# Allegro board reServer J2032_V1.brd (continued)
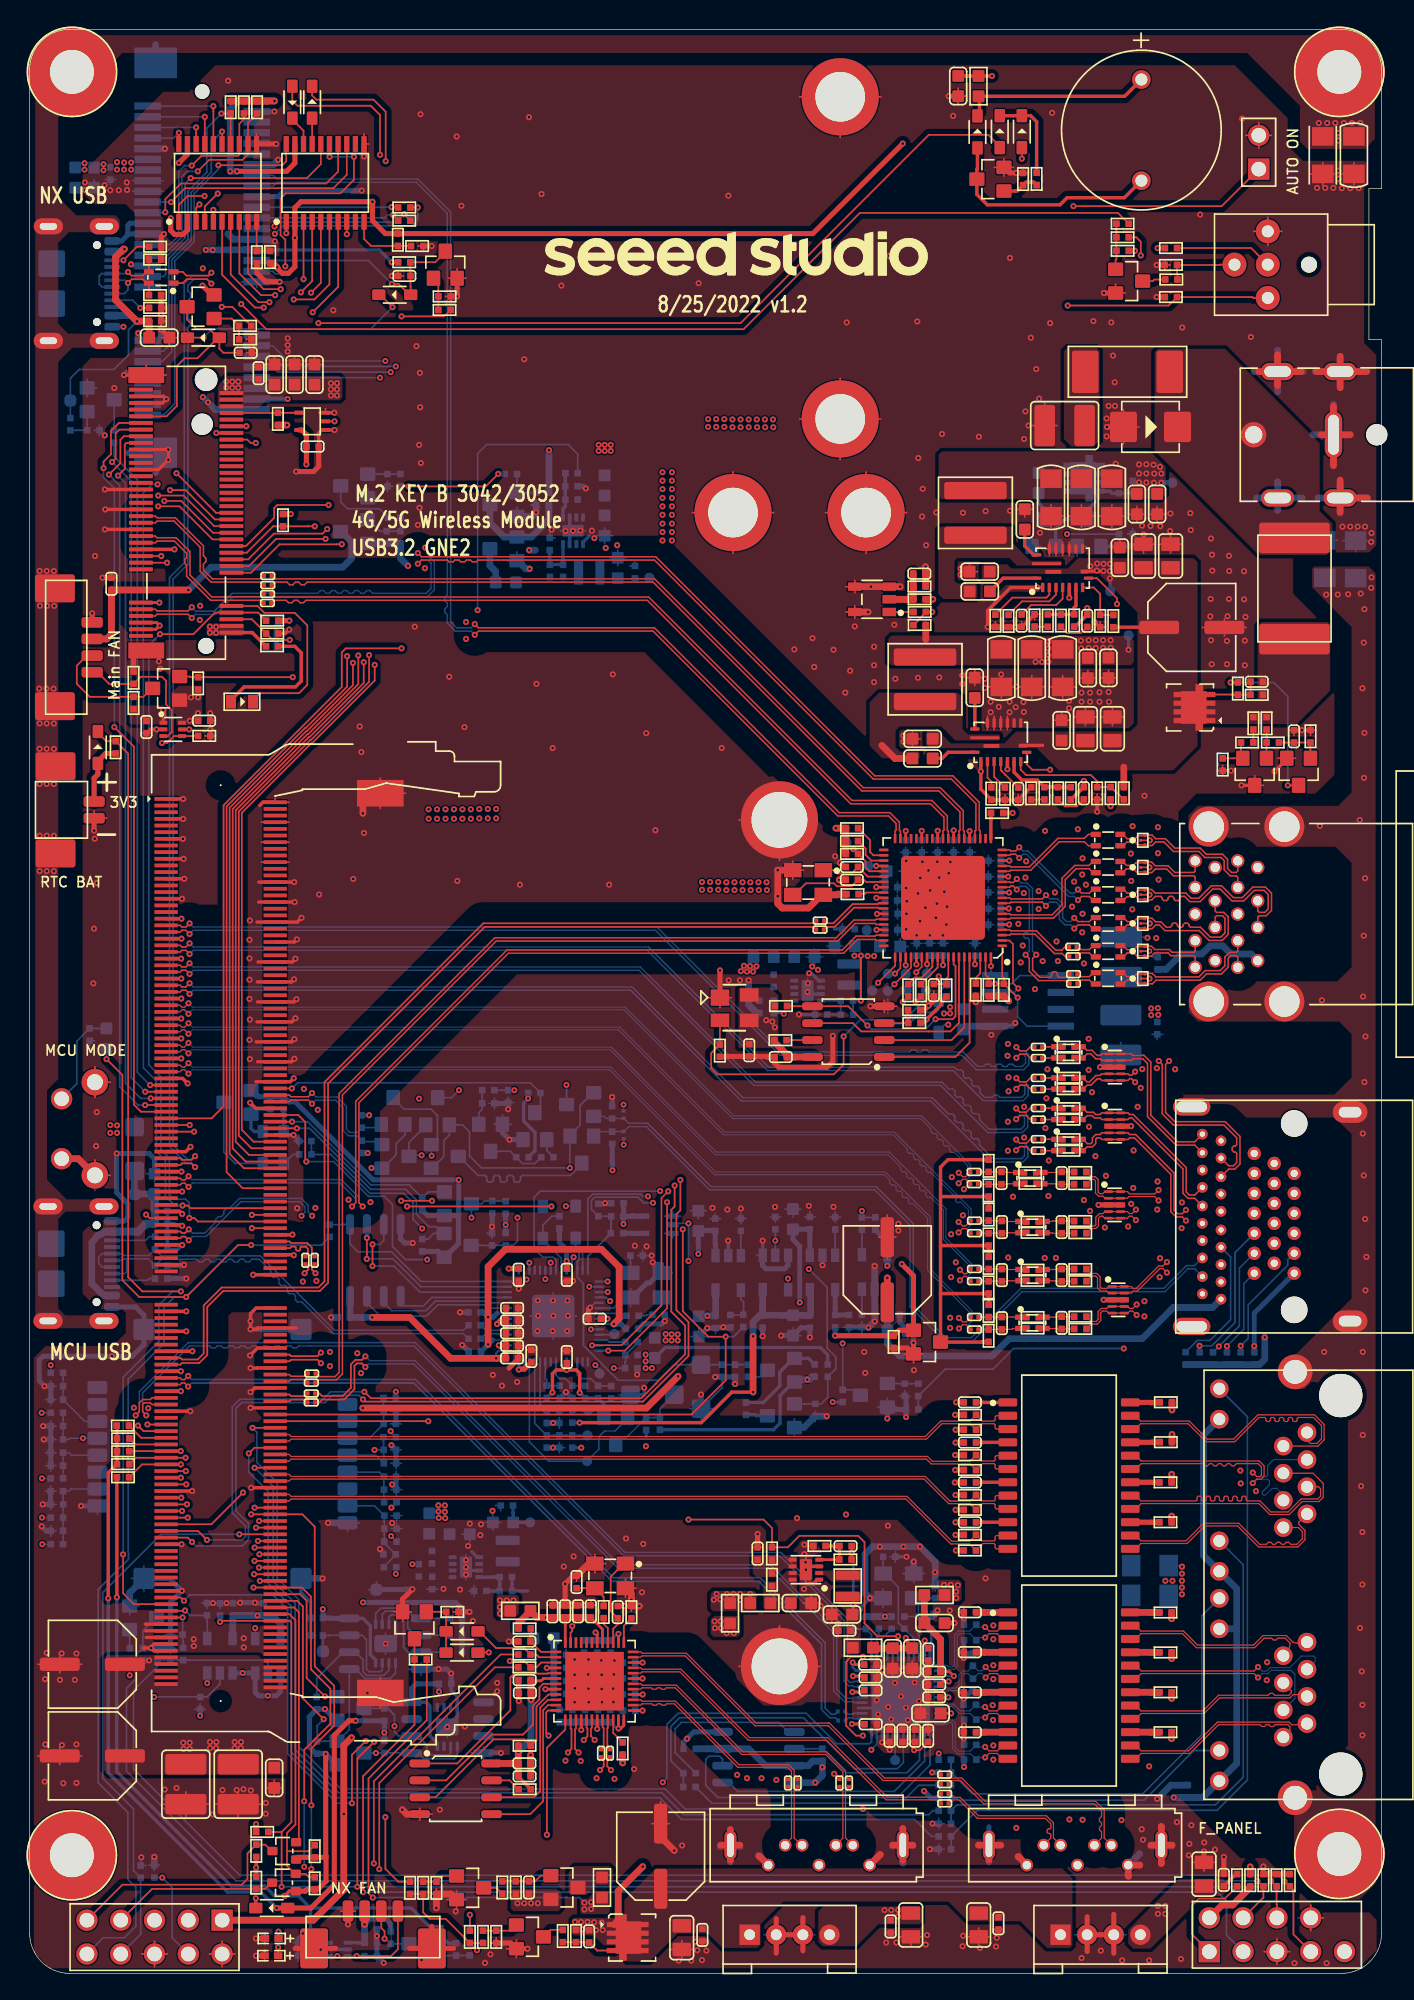
[diagram p0: board, top side]
## Footprints (pads in the part's own frame, mm; a bottom-side part is the same pattern mirrored in y, then rotated) (continued)
D0402
  rrect 0.5x0.5 smd: 1(-0.463,0) 2(0.463,0)
DC_JACK_JPD441_13X10X10MM
  round 1.6 hole 1.6 unplated: (0,-2.75)
  round 1.9 hole 1.3: 1(0,-12)
  oval 3.5x1.3 hole 3x0.8: 2(0,-6)
  oval 1.3x2.5 hole 0.8x2: S1(4.75,-5.5) S2(-4.75,-5.5) S3(4.75,-10.2) S4(-4.75,-10.2)
DCK5_2P15X1P4
  rect 0.4x0.9 smd: 1(-0.65,-1.1) 2(0,-1.1) 3(0.65,-1.1) 4(0.65,1.1) 5(-0.65,1.1)
DFN08_SON08_0D66_3X3MM
  rect 1.1x0.39 smd: 1(-1.354,0.975) 2(-1.354,0.325) 3(-1.354,-0.325) 4(-1.354,-0.975)
  custom 2.479x3.5 smd: 5(0,0)
DFN8G_0D5_2X2MM_3410
  rrect 0.6x0.3 smd: 1(-1,0.75) 2(-1,0.25) 3(-1,-0.25) 4(-1,-0.75) 5(1,-0.75) 6(1,-0.25) 7(1,0.25) 8(1,0.75)
  rrect 0.9x1.6 smd: 9(0,0)
DO_214AA_SMB
  rrect 2.032x2.286 smd: 1(-2.032,0) 2(2.032,0)
ELECTRO_SMD_6_6X6_6MM
  rrect 1x3 smd: 1(0,-2.45) 2(0,2.45)
HDMI_DP_39P_18D05X18D1X19D3MM
  round 2 hole 2 unplated: (-7,5.3) (7,5.3)
  round 1 hole 0.55: A1(4.75,8.3) A2(4,6.8) A3(3.25,8.3) A4(3.25,5.3) A5(2.5,6.8) A6(1.75,5.3) A7(1.75,8.3) A8(1,6.8) A9(0.25,8.3) A10(0.25,5.3) A11(-0.5,6.8) A12(-1.25,5.3) A13(-1.25,8.3) A14(-2,6.8) A15(-2.75,8.3) A16(-2.75,5.3) A17(-3.5,6.8) A18(-4.25,5.3) A19(-4.25,8.3)
  round 0.8 hole 0.4: B1(6.2,12.2) B2(5.7,10.8) B3(4.8,12.2) B4(4.4,10.8) B5(3.5,12.2) B6(3,10.8) B7(2.2,12.2) B8(1.7,10.8) B9(0.8,12.2) B10(0.4,10.8) B11(-0.5,12.2) B12(-1,10.8) B13(-1.8,12.2) B14(-2.3,10.8) B15(-3.1,12.2) B16(-3.6,10.8) B17(-4.5,12.2) B18(-4.9,10.8) B19(-5.8,12.2) B20(-6.2,10.8)
  oval 1.3x2.8 hole 0.8x2.3: S1(8.25,13) S2(-8.25,13)
  oval 1.6x2.6 hole 0.8x1.7: S3(7.85,1.1) S4(-7.85,1.1)
HEADER2P_2D54_DIP
  rect 1.6x1.6 hole 1.1: 1(0,1.27)
  round 1.6 hole 1.1: 2(0,-1.27)
HEADER2X5P_2D54_1_DIP
  rect 1.6x1.6 hole 1.1: 1(-1.27,5.08)
  round 1.6 hole 1.1: 2(1.27,5.08) 3(-1.27,2.54) 4(1.27,2.54) 5(-1.27,0) 6(1.27,0) 7(-1.27,-2.54) 8(1.27,-2.54) 9(-1.27,-5.08) 10(1.27,-5.08)
HEADER2X5P_2D54_9P_RIGHT
  rect 1.6x1.6 hole 1.1: 1(-1.27,5.08)
  round 1.6 hole 1.1: 2(1.27,5.08) 3(-1.27,2.54) 4(1.27,2.54) 5(-1.27,0) 6(1.27,0) 7(-1.27,-2.54) 8(1.27,-2.54) 9(-1.27,-5.08)
HEADER4_2P_1D25_SMD
  rrect 0.8x1.6 smd: 1(1.875,0) 2(0.625,0) 3(-0.625,0) 4(-1.875,0)
  rrect 2.1x3 smd: 5(-4.425,-2.8) 6(4.425,-2.8)
HEADER4P-2_0-GROVE-DIP
  rect 1.524x1.524 hole 0.813: 1(0,3)
  round 1.524 hole 0.813: 2(0,1) 3(0,-1) 4(0,-3)
JST2P_1D25_7_55X3_9X4_8MM
  rrect 0.8x1.6 smd: 1(-0.625,0) 2(0.625,0)
  rrect 2.1x3 smd: 3(-3.275,-2.9) 4(3.275,-2.9)
L2P_3D35_5_55X5_35X3MM
  rrect 1.3x4.7 smd: 1(-1.675,0) 2(1.675,0)
L0402
  rrect 0.5x0.5 smd: 1(-0.463,0) 2(0.463,0)
L0603
  rrect 0.889x0.889 smd: 1(-0.762,0) 2(0.762,0)
L2012
  rrect 0.75x0.4 smd: 1(-0.925,0.425) 2(0.925,0.425) 3(0.925,-0.425) 4(-0.925,-0.425)
L2016
  rrect 0.7x1.8 smd: 1(-0.8,0) 2(0.8,0)
LED0402
  rect 0.635x0.508 smd: 1(-0.508,0) 2(0.508,0)
LED0603
  rect 0.762x1.016 smd: 1(-0.826,0) 2(0.826,0)
PCIE52_0D8_56X30_2X4MM
  round 1.1 hole 1.1 unplated: (0,-12.5)
  round 1.6 hole 1.6 unplated: (0,12.5)
  rect 2x0.55 smd: 1(-4.1,11.8) 2(4.1,11.4) 3(-4.1,11) 4(4.1,10.6) 5(-4.1,10.2) 6(4.1,9.8) 7(-4.1,9.4) 8(4.1,9) 9(-4.1,8.6) 10(4.1,8.2) 11(-4.1,7.8) 12(4.1,7.4) 13(-4.1,7) 14(4.1,6.6) 15(-4.1,6.2) 16(4.1,5.8) 17(-4.1,2.2) 18(4.1,1.8) 19(-4.1,1.4) 20(4.1,1) 21(-4.1,0.6) 22(4.1,0.2) 23(-4.1,-0.2) 24(4.1,-0.6) 25(-4.1,-1) 26(4.1,-1.4) 27(-4.1,-1.8) 28(4.1,-2.2) 29(-4.1,-2.6) 30(4.1,-3) 31(-4.1,-3.4) 32(4.1,-3.8) 33(-4.1,-4.2) 34(4.1,-4.6) 35(-4.1,-5) 36(4.1,-5.4) 37(-4.1,-5.8) 38(4.1,-6.2) 39(-4.1,-6.6) 40(4.1,-7) 41(-4.1,-7.4) 42(4.1,-7.8) 43(-4.1,-8.2) 44(4.1,-8.6) 45(-4.1,-9) 46(4.1,-9.4) 47(-4.1,-9.8) 48(4.1,-10.2) 49(-4.1,-10.6) 50(4.1,-11) 51(-4.1,-11.4) 52(4.1,-11.8)
  rect 3.2x2.3 smd: 53(-3.5,-14.65) 54(-3.5,14.65)
PTH_3_3MM_6D8
  round 6.8 hole 3.3: 1(0,0)
PTH_3_73MM_5D8_PASTE
  round 5.8 hole 3.73: 1(0,0)
PTH_4_2MM_5D8
  round 5.8 hole 4.2: 1(0,0)
QFN19_0D5_3X4X0_65MM
  rrect 0.7x0.25 smd: 1(-1.45,1.5) 2(-1.45,1) 3(-1.45,0.5) 4(-1.45,0) 5(-1.45,-0.5) 6(-1.45,-1) 7(-1.45,-1.5) 10(1.45,-1.5) 11(1.45,-1) 12(1.45,-0.5) 13(1.45,0) 14(1.45,0.5) 15(1.45,1)
  rrect 0.25x0.7 smd: 8(-0.75,-1.95) 16(1,1.95) 19(-0.75,1.95)
  custom 0.3x1.9 smd: 9(-0.25,-2.301)
  rrect 0.23x2.2 smd: 17(0.34,1.2)
  rrect 0.3x1.2 smd: 18(-0.275,0.7)
QFN48_0D4_6X6_EP
  rect 0.8x0.2 smd: 1(-2.9,2.2) 2(-2.9,1.8) 3(-2.9,1.4) 4(-2.9,1) 5(-2.9,0.6) 6(-2.9,0.2) 7(-2.9,-0.2) 8(-2.9,-0.6) 9(-2.9,-1) 10(-2.9,-1.4) 11(-2.9,-1.8) 12(-2.9,-2.2) 25(2.9,-2.2) 26(2.9,-1.8) 27(2.9,-1.4) 28(2.9,-1) 29(2.9,-0.6) 30(2.9,-0.2) 31(2.9,0.2) 32(2.9,0.6) 33(2.9,1) 34(2.9,1.4) 35(2.9,1.8) 36(2.9,2.2)
  rect 0.2x0.8 smd: 13(-2.2,-2.9) 14(-1.8,-2.9) 15(-1.4,-2.9) 16(-1,-2.9) 17(-0.6,-2.9) 18(-0.2,-2.9) 19(0.2,-2.9) 20(0.6,-2.9) 21(1,-2.9) 22(1.4,-2.9) 23(1.8,-2.9) 24(2.2,-2.9) 37(2.2,2.9) 38(1.8,2.9) 39(1.4,2.9) 40(1,2.9) 41(0.6,2.9) 42(0.2,2.9) 43(-0.2,2.9) 44(-0.6,2.9) 45(-1,2.9) 46(-1.4,2.9) 47(-1.8,2.9) 48(-2.2,2.9)
  rect 4.4x4.4 smd: 49(0,0)
QFN56_0D4_7X7X0_9MM
  rrect 0.7x0.18 smd: 1(-3.45,2.6) 2(-3.45,2.2) 3(-3.45,1.8) 4(-3.45,1.4) 5(-3.45,1) 6(-3.45,0.6) 7(-3.45,0.2) 8(-3.45,-0.2) 9(-3.45,-0.6) 10(-3.45,-1) 11(-3.45,-1.4) 12(-3.45,-1.8) 13(-3.45,-2.2) 14(-3.45,-2.6) 29(3.45,-2.6) 30(3.45,-2.2) 31(3.45,-1.8) 32(3.45,-1.4) 33(3.45,-1) 34(3.45,-0.6) 35(3.45,-0.2) 36(3.45,0.2) 37(3.45,0.6) 38(3.45,1) 39(3.45,1.4) 40(3.45,1.8) 41(3.45,2.2) 42(3.45,2.6)
  rrect 0.18x0.7 smd: 15(-2.6,-3.45) 16(-2.2,-3.45) 17(-1.8,-3.45) 18(-1.4,-3.45) 19(-1,-3.45) 20(-0.6,-3.45) 21(-0.2,-3.45) 22(0.2,-3.45) 23(0.6,-3.45) 24(1,-3.45) 25(1.4,-3.45) 26(1.8,-3.45) 27(2.2,-3.45) 28(2.6,-3.45) 43(2.6,3.45) 44(2.2,3.45) 45(1.8,3.45) 46(1.4,3.45) 47(1,3.45) 48(0.6,3.45) 49(0.2,3.45) 50(-0.2,3.45) 51(-0.6,3.45) 52(-1,3.45) 53(-1.4,3.45) 54(-1.8,3.45) 55(-2.2,3.45) 56(-2.6,3.45)
  rrect 3.2x3.2 smd: 57(0,0)
QFN76L_0D4_9X9X0_9MM
  rrect 0.7x0.2 smd: 1(-4.45,3.6) 2(-4.45,3.2) 3(-4.45,2.8) 4(-4.45,2.4) 5(-4.45,2) 6(-4.45,1.6) 7(-4.45,1.2) 8(-4.45,0.8) 9(-4.45,0.4) 10(-4.45,0) 11(-4.45,-0.4) 12(-4.45,-0.8) 13(-4.45,-1.2) 14(-4.45,-1.6) 15(-4.45,-2) 16(-4.45,-2.4) 17(-4.45,-2.8) 18(-4.45,-3.2) 19(-4.45,-3.6) 39(4.45,-3.6) 40(4.45,-3.2) 41(4.45,-2.8) 42(4.45,-2.4) 43(4.45,-2) 44(4.45,-1.6) 45(4.45,-1.2) 46(4.45,-0.8) 47(4.45,-0.4) 48(4.45,0) 49(4.45,0.4) 50(4.45,0.8) 51(4.45,1.2) 52(4.45,1.6) 53(4.45,2) 54(4.45,2.4) 55(4.45,2.8) 56(4.45,3.2) 57(4.45,3.6)
  rrect 0.2x0.7 smd: 20(-3.6,-4.45) 21(-3.2,-4.45) 22(-2.8,-4.45) 23(-2.4,-4.45) 24(-2,-4.45) 25(-1.6,-4.45) 26(-1.2,-4.45) 27(-0.8,-4.45) 28(-0.4,-4.45) 29(0,-4.45) 30(0.4,-4.45) 31(0.8,-4.45) 32(1.2,-4.45) 33(1.6,-4.45) 34(2,-4.45) 35(2.4,-4.45) 36(2.8,-4.45) 37(3.2,-4.45) 38(3.6,-4.45) 58(3.6,4.45) 59(3.2,4.45) 60(2.8,4.45) 61(2.4,4.45) 62(2,4.45) 63(1.6,4.45) 64(1.2,4.45) 65(0.8,4.45) 66(0.4,4.45) 67(0,4.45) 68(-0.4,4.45) 69(-0.8,4.45) 70(-1.2,4.45) 71(-1.6,4.45) 72(-2,4.45) 73(-2.4,4.45) 74(-2.8,4.45) 75(-3.2,4.45) 76(-3.6,4.45)
  rrect 6.3x6.3 smd: 77(0,0)
R2P_7D4_8X5_5X1_2MM
  rrect 2.3x5.3 smd: 1(-3.8,0) 2(3.8,0)
R0402
  rrect 0.5x0.5 smd: 1(-0.463,0) 2(0.463,0)
R0603
  rrect 0.889x0.889 smd: 1(-0.762,0) 2(0.762,0)
R1206
  rect 1.397x1.626 smd: 1(-1.41,0) 2(1.41,0)
R2512
  rrect 2x3.2 smd: 1(-3.175,0) 2(3.175,0)
RJ45_24P_2D04_32_25X15_7MM
  round 3.25 hole 3.25 unplated: (-14.22,-3.43) (14.22,-3.43)
  round 1.4 hole 0.9: L1(-4.305,-0.89) L2(-5.325,0.89) L3(-6.345,-0.89) L4(-7.365,0.89) L5(-8.385,-0.89) L6(-9.405,0.89) L7(-10.425,-0.89) L8(-11.445,0.89) L9(-1.015,5.7) L10(-3.305,5.7) L11(-12.445,5.7) L12(-14.735,5.7) R1(11.445,-0.89) R2(10.425,0.89) R3(9.405,-0.89) R4(8.385,0.89) R5(7.365,-0.89) R6(6.345,0.89) R7(5.325,-0.89) R8(4.305,0.89) R9(14.735,5.7) R10(12.445,5.7) R11(3.305,5.7) R12(1.015,5.7)
  round 2.6 hole 1.8: S1(-16,0) S2(16,0)
SATA7P_1D27_16_1X6_4X8_4MM
  round 0.95 hole 0.635: G1(-3.63,-1.5) G2(0.18,-1.5) G3(3.99,-1.5) R+(-2.36,0) R-(-1.09,0) T+(2.72,0) T-(1.45,0)
  oval 0.9x2.2 hole 0.5x1.78: S1(-6.48,0) S2(6.48,0)
SIM2X8P_1D27_17D5X17D5X3MM
  rrect 1.6x1.6 smd: 1(-5.9,9.35) 2(5.9,9.35) 3(-5.9,-9.35) 4(5.9,-9.35)
  rrect 1.5x1 smd: CA1(-9.4,2.63) CA2(-9.4,0.09) CA3(-9.4,-2.45) CA4(-9.4,-4.99) CA5(-9.4,3.9) CA6(-9.4,1.36) CA7(-9.4,-1.18) CA8(-9.4,-3.72) CB1(9.4,3.9) CB2(9.4,1.36) CB3(9.4,-1.18) CB4(9.4,-3.72) CB5(9.4,5.17) CB6(9.4,2.63) CB7(9.4,0.09) CB8(9.4,-2.45)
SO_8_1D27_4_8X3_8MM
  rect 0.53x1.98 smd: 1(-1.905,-2.465) 2(-0.635,-2.465) 3(0.635,-2.465) 4(1.905,-2.465) 5(1.905,2.465) 6(0.635,2.465) 7(-0.635,2.465) 8(-1.905,2.465)
SOD_123
  rrect 1.397x1.397 smd: 1(-1.651,0) 2(1.651,0)
SOD_323
  rrect 1x0.8 smd: 1(-1.2,0) 2(1.2,0)
SOIC8_1D27_4_9X3_9MM
  rrect 0.6x1.55 smd: 1(-1.905,-2.7) 2(-0.635,-2.7) 3(0.635,-2.7) 4(1.905,-2.7) 5(1.905,2.7) 6(0.635,2.7) 7(-0.635,2.7) 8(-1.905,2.7)
SOT6
  rrect 0.6x0.3 smd: 1(-0.74,0.5) 2(-0.74,0) 3(-0.74,-0.5) 4(0.66,-0.5) 5(0.66,0) 6(0.66,0.5)
SOT23
  rrect 1.016x1.143 smd: 1(-0.889,-1.016) 2(0.889,-1.016) 3(0,1.016)
SOT23-5
  rect 0.635x1.016 smd: 1(-0.953,-1.295) 2(0,-1.295) 3(0.953,-1.295) 4(0.953,1.295) 5(-0.953,1.295)
SOT353
  rrect 0.3x0.7 smd: 1(-0.65,-1) 2(0,-1) 3(0.65,-1) 4(0.65,1) 5(-0.65,1)
SOT-323-3
  rrect 0.635x0.762 smd: 1(-0.635,-0.889) 2(0.665,-0.889) 3(0,0.889)
SOT_143
  rect 1.219x1.397 smd: 1(-0.75,-1.1)
  rect 1.016x1.397 smd: 2(0.95,-1.1) 3(0.95,1.1) 4(-0.95,1.1)
SW4P_2D5_12X7_6X8_7MM
  round 1.2 hole 1.2 unplated: (0,-3.1)
  round 1.8 hole 0.9: 1(-2.5,0) 2(2.5,0) 3(0,2.5) 4(0,0)
SWITCH4-8X7X7MM
  round 1.6 hole 1.1: 1(-2.25,0.15) 2(2.25,0.15)
  round 2 hole 1.2: 3(-3.5,-2.35) 4(3.5,-2.35)
TP30C_SMD
  round 0.762 smd: 1(0,0)
TP35S_SMD
  rrect 0.9x0.9 smd: 1(0,0)
TRF24P_1D0_15_1X7_1X4MM
  rrect 0.6x1.4 smd: 1(-5.5,-4.6) 2(-4.5,-4.6) 3(-3.5,-4.6) 4(-2.5,-4.6) 5(-1.5,-4.6) 6(-0.5,-4.6) 7(0.5,-4.6) 8(1.5,-4.6) 9(2.5,-4.6) 10(3.5,-4.6) 11(4.5,-4.6) 12(5.5,-4.6) 13(5.5,4.6) 14(4.5,4.6) 15(3.5,4.6) 16(2.5,4.6) 17(1.5,4.6) 18(0.5,4.6) 19(-0.5,4.6) 20(-1.5,4.6) 21(-2.5,4.6) 22(-3.5,4.6) 23(-4.5,4.6) 24(-5.5,4.6)
TSSOP20-0_65-6_5X4_4X1MM
  rrect 0.4x1.2 smd: 1(-2.925,-2.925) 2(-2.275,-2.925) 3(-1.625,-2.925) 4(-0.975,-2.925) 5(-0.325,-2.925) 6(0.325,-2.925) 7(0.975,-2.925) 8(1.625,-2.925) 9(2.275,-2.925) 10(2.925,-2.925) 11(2.925,2.925) 12(2.275,2.925) 13(1.625,2.925) 14(0.975,2.925) 15(0.325,2.925) 16(-0.325,2.925) 17(-0.975,2.925) 18(-1.625,2.925) 19(-2.275,2.925) 20(-2.925,2.925)
UDFN8_0D5_2X3X0_6MM
  rrect 0.25x0.7 smd: 1(-0.75,-1.45) 2(-0.25,-1.45) 3(0.25,-1.45) 4(0.75,-1.45) 5(0.75,1.45) 6(0.25,1.45) 7(-0.25,1.45) 8(-0.75,1.45)
  rrect 1.7x1.3 smd: 9(0,0)
USB2_0_TYPE_C_LONG
  round 0.6 hole 0.6 unplated: (-1.1,-2.89) (-1.1,2.89)
  rrect 1.2x0.3 smd: A5(0.05,1.25) A6(0.05,0.25) A7(0.05,-0.25) A8(0.05,-1.25) B5(0.05,-1.75) B6(0.05,-0.75) B7(0.05,0.75) B8(0.05,1.75)
  rrect 1.2x0.6 smd: B1(0.05,-3.2) B4(0.05,-2.4) B9(0.05,2.4) B12(0.05,3.25)
  oval 2.2x1.2 hole 1.3x0.5: S1(-4.75,4.3) S2(-0.55,4.3) S3(-4.75,-4.3) S4(-0.55,-4.3)
  rrect 2x2 smd: S5(-4.5,1.5) S6(-4.5,-1.5)
USB3_1_2D0_17_5X13_6X15_69MM
  round 1 hole 0.7: 1(-3.5,2) 2(-1,2) 3(1,2) 4(3.5,2) 5(4,3.5) 6(2,3.5) 7(0,3.5) 8(-2,3.5) 9(-4,3.5) 10(-3.5,5.2) 11(-1,5.2) 12(1,5.2) 13(3.5,5.2) 14(4,6.7) 15(2,6.7) 16(0,6.7) 17(-2,6.7) 18(-4,6.7)
  round 3 hole 2.3: 19(-6.57,5.68) 20(-6.57,0) 21(6.57,0) 22(6.57,5.68)
USON10_0D5_2D5X1X0D5MM
  oval 0.2x0.7 smd: 1(-1,-0.45) 2(-0.5,-0.45) 4(0.5,-0.45) 5(1,-0.45) 6(1,0.45) 7(0.5,0.45) 9(-0.5,0.45) 10(-1,0.45)
  rrect 0.4x0.7 smd: 3(0,-0.45) 8(0,0.45)
X2SON3_0D3_0_6X1X0_4MM
  rect 0.203x0.203 smd: 1(-0.15,0) 2(0.15,-0.34) 3(0.15,0.34)
X4-SMD-3_2X2_5X1_0MM
  rect 1.321x1.067 smd: 1(-1.15,-0.925) 2(1.15,-0.925) 3(1.15,0.925) 4(-1.15,0.925)

## Nets
0V95_FB: C46.2 R42.2 R44.1 U7.4
0V95_SW: L5.1 U7.2(SW)
1V1_MCU: C54.1 C55.1 C56.1 U10.23 U10.45(VREG_VOUT) U10.50
1V05_FB: C39.2 R35.2 R37.1 U5.4
1V05_SW: L4.1 U5.2(SW)
1V8_FB: C49.2 R43.2 R45.1 U6.4
1V8_SW: L6.1 U6.2(SW)
1V25_FB: C34.2 R34.2 R36.1 U4.4
1V25_SW: L3.1 U4.2(SW)
3V3_IN_A: C38.1 FB3.2 R30.1 U4.7 U4.8
3V3_IN_B: C36.1 FB2.2 R31.1 U5.7 U5.8
3V3_IN_C: C45.1 FB4.2 R39.1 U7.7 U7.8
3V3_IN_D: C47.1 FB5.2 R38.1 U6.7 U6.8
3V3_MCU: C57.1 C58.1 C59.1 C60.1 C61.1 C62.1 C63.1 C64.1 C65.1 C66.1 C67.1 C68.2 C70.2 C72.2 FB1.2 J2.1 Q39.1 R50.1 R53.1 R54.2 R67.1 R278.1 R280.1 R281.1 U8.5 U9.8 U10.1 U10.10 U10.22 U10.33 U10.42 U10.43 U10.44 U10.48 U10.49 U11.5 U12.5
3V3_PG: R190.1 R262.2 U3.8
5V_PG: Q9.1 R67.2 R69.1 U2.8 U8.2
12V_FAN: C79.1 J3.3 Q42.3
12V_IN1: D1.2 F1.1 J20.1 R1.1
12V_IN2: C1.1 F1.2 Q1.1 Q1.2 Q1.3(S3) R266.1 R269.1 R270.1
AVDD33_PLL: C98.1 C99.1 FB8.2 U16.15
GND_EARTH: C114.2 C119.2 C277.2 J7.S1 J7.S2 J8.19 J8.20 J8.21 J8.22 J13.S1 J13.S3 J13.S4(SHIELD_4) MH7.1(NC) R260.2
GND_EARTH1: C278.2 J3.5 J3.6 J16.53 J17.S1 J17.S2 J17.S3 J17.S4 J17.S5 J17.S6 J18.S1 J18.S2 J18.S3 J18.S4 J18.S5 J18.S6 J19.3 J19.4 MH8.1(NC) MH9.1(NC) R261.2
GND_POWER: C2.2 C3.2 C5.2 C6.2 C7.2 C9.2 C10.2 C12.2 C13.2 C14.2 C15.2 C16.2 C17.2 C18.2 C21.2 C22.2 C23.2 C24.2 C26.2 C27.2 C28.2 C29.2 C30.2 C32.2 C33.2 C35.2 C36.2 C37.2 C38.2 C40.2 C41.2 C42.2 C43.2 C44.2 C45.2 C47.2 C48.2 C50.2 C51.2 C52.2 C53.2 C54.2 C55.2 C56.2 C57.2 C58.2 C59.2 C60.2 C61.2 C62.2 C63.2 C64.2 C65.2 C66.2 C67.2 C68.1 C69.2 C70.1 C71.2 C72.1 C73.2 C74.2 C75.2 C76.2 C77.2 C78.2 C79.2 C80.2 C81.2 C86.2 C87.2 C88.2 C89.2 C90.2 C91.2 C92.2 C93.2 C94.2 C95.2 C96.2 C97.2 C98.2 C99.2 C100.2 C101.2 C102.2 C103.2 C106.2 C107.2 C110.1 C111.1 C112.1 C113.1 C115.1 C116.1 C117.1 C118.1 C120.2 C121.2 C122.2 C123.2 C124.2 C125.2 C126.2 C127.2 C128.2 C129.2 C130.2 C131.2 C132.2 C133.2 C134.2 C135.2 C136.2 C137.2 C138.2 C139.2 C140.2 C141.2 C142.2 C143.2 C144.2 C145.2 C146.2 C151.2 C152.2 C153.2 C154.2 C155.2 C156.2 C157.2 C158.2 C159.2 C160.2 C161.2 C162.2 C163.2 C164.2 C165.2 C166.2 C167.2 C168.2 C169.2 C170.2 C171.2 C172.2 C173.2 C174.2 C175.2 C180.2 C181.2 C186.2 C187.2 C188.2 C189.2 C194.2 C195.2 C196.2 C197.2 C200.2 C201.2 C202.2 C203.2 C204.2 C205.2 C206.2 C207.2 C208.2 C209.2 C215.2 C219.2 C221.2 C222.2 C223.2 C228.2 C234.1 C235.2 C236.2 C237.2 C238.2 C239.2 C240.2 C241.2 C242.2 C243.2 C244.1 C249.2 C250.2 C251.2 C252.1 C253.2 C254.2 C255.2 C256.2 C257.2 C258.2 C259.2 C260.2 C261.2 C262.2 C263.2 C264.2 C265.2 C266.2 C267.2 C277.1 C278.1 C279.2 C280.2 C281.2 C282.2 C283.2 C284.2 D1.1 D7.1 D11.1 D12.1 D13.1 D14.1 D15.1 D19.1 D20.1 D21.1 D22.1 D23.1 D24.1 D25.1 D26.1 D27.1 D28.1 D29.1 D30.1 D31.1 D34.1 D35.1 D36.1 D37.1 D38.1 D39.1 D40.1 D41.1 D42.1 D45.1 D46.1 D47.1 D48.1 D49.1 D50.1 D51.1 D52.1 D53.1 D54.1 D55.3 D55.8(GND1) D56.3 D56.8(GND1) D57.3 D57.8(GND1) D58.3 D58.8(GND1) D59.1 D60.1 D63.1 D64.1 D65.1 D66.1 D67.1 D68.1 D69.1 D70.1 D71.1 D72.1 D73.1 D74.1 D75.1 D76.1 D77.1 D78.1 D79.1 D80.1 D81.1 D82.1 J2.2 J2.6 J3.4 J4.5 J4.8 J5.1 J5.2 J5.7 J5.8 J5.13 J5.14 J5.19 J5.20 J5.25 J5.26 J5.31 J5.32 J5.37 J5.38 J5.43 J5.44 J5.49 J5.50 J5.55 J5.56 J5.61 J5.62 J5.67 J5.68 J5.73 J5.74 J5.79 J5.80 J5.85 J5.86 J5.102 J5.107 J5.113 J5.119 J5.125 J5.129 J5.132 J5.135 J5.138 J5.141 J5.144 J5.146 J5.147 J5.152 J5.153 J5.158 J5.159 J5.164 J5.165 J5.170 J5.171 J5.176 J5.177 J5.200 J5.201 J5.217 J5.231 J5.241 J5.242 J5.243 J5.244 J5.245 J5.246 J5.247 J5.248 J5.249 J5.250 J5.261 J5.262 J8.4 J8.7 J8.13 J8.16 J9.2 J9.3 J10.G1 J10.G2 J10.G3 J10.S1 J10.S2 J11.2 J11.3 J12.G1 J12.G2 J12.G3 J12.S1 J12.S2 J13.A2 J13.A5 J13.A8 J13.A11 J13.A17 J13.B2 J13.B5 J13.B8 J13.B11 J13.B16 J13.B19 J14.1 J14.2 J14.3 J14.4 J14.CA5 J14.CB5 J15.3 J15.5 J15.11 J15.27 J15.33 J15.39 J15.45 J15.51 J15.57 J15.71 J15.73 J15.76 J15.77 J16.4 J16.9 J16.15 J16.18 J16.21 J16.26 J16.27 J16.29 J16.34 J16.35 J16.37 J16.40 J16.43 J16.50 J16.54 J17.B1 J17.B12 J18.B1 J18.B12 J19.2 J20.2 J20.S1 J20.S2 J20.S3 J20.S4(SHIELD4) J21.2 J22.4 J22.5 J22.6 LED1.2(C) LED2.2(C) MH1.1(NC) MH2.1(NC) MH3.1(NC) MH4.1(NC) MH5.1(NC) MH6.1(NC) Q4.2(S) Q5.2(S) Q6.2(S) Q7.2(S) Q9.2(S) Q11.2(S) Q12.2(S) Q13.2(S) Q16.2(S) Q17.2(S) Q21.2(S) Q22.2(EMITTER) Q29.2(EMITTER) Q30.2(EMITTER) Q31.2(S) Q32.2(S) Q33.2(EMITTER) Q38.2(S) Q41.2(S) Q43.2(S) R7.2 R14.2 R15.2 R16.2 R17.2 R23.2 R25.2 R26.2 R27.2 R29.2 R36.2 R37.2 R44.2 R45.2 R49.2 R55.2 R56.2 R60.2 R63.2 R64.2 R69.2 R74.2 R76.2 R77.2 R86.2 R100.2 R101.2 R125.2 R126.2 R130.2 R136.2 R137.2 R146.2 R147.2 R153.2 R155.2 R156.2 R157.2 R186.2 R187.2 R188.1 R191.2 R192.1 R193.2 R201.2 R207.2 R208.2 R215.2 R220.2 R223.1 R224.1 R231.1 R239.2 R240.2 R241.2 R242.2 R243.2 R244.2 R252.2 R259.2 R260.1 R261.1 R264.2 R268.2 R272.2 R276.2 R277.2 R279.2 R282.2 R285.2 R286.2 R296.2 SW1.2 SW2.2 SW2.3 SW2.4(B2) TP20.1(TP) TP26.1(TP) U1.3 U1.4 U1.5 U2.1 U2.5 U2.10 U2.11 U2.12 U2.13 U2.14 U2.15 U3.1 U3.5 U3.10 U3.11 U3.12 U3.13 U3.14 U3.15 U4.1 U4.3 U4.9 U5.1 U5.3 U5.9 U6.1 U6.3 U6.6 U6.9 U7.1 U7.3 U7.9 U8.1 U8.3 U9.4 U10.19 U10.57 U11.1 U11.3 U12.1 U12.3 U13.2 U13.5 U14.1 U14.3 U15.4 U16.40 U16.49 U17.77 U18.4 U19.1 U20.4 U21.49 U22.2 U23.2 U24.2 U25.1 U25.3 U26.11 U27.11 U28.4 U29.4 U29.9 U30.4 U31.1 U32.3 U33.2 U33.5 U34.4 U34.9 X1.2 X1.4 X2.2 X2.4 X3.2 X3.4 X4.2 X4.4
VBUSDET: R116.2 TP9.1(TP) U17.43
VDD09: C90.1 C91.1 C92.1 C96.1 C97.1 C100.1 C101.1 C102.1 FB7.2 U16.8 U16.11 U16.16 U16.22 U16.28 U16.37 U16.47
VDD_0V95: C46.1 C50.1 C51.1 FB7.1 L5.2 R42.1 TP6.1(TP)
VDD_1V05: C39.1 C42.1 C43.1 C130.1 C131.1 C132.1 C133.1 C134.1 C135.1 C136.1 C137.1 C138.1 C139.1 C140.1 C141.1 C142.1 C143.1 L4.2 R35.1 TP5.1(TP) U17.5 U17.8 U17.11 U17.14 U17.27 U17.30 U17.33 U17.36 U17.48(VDD_4) U17.51 U17.54 U17.67
VDD_1V8: C49.1 C52.1 C53.1 C81.1 C86.1 C261.1 C284.1 L6.2 Q10.1 Q34.1 Q35.1 Q36.1 Q37.1 Q40.1 R43.1 R47.1 R71.1 R81.1 R181.1 R194.1 R195.1 R216.1 R218.1 R219.1 R221.1 R222.1 R245.1 R247.1 R249.1 R250.1 R251.1 R254.1 R255.1 R283.1 TP7.1(TP) U13.6(VCCB) U14.5 U26.2 U27.2 U30.8 U33.6(VCCB) U34.8
VDD_1V25: C34.1 C40.1 C41.1 FB9.1 L3.2 R34.1 TP4.1(TP)
VDD_3V3: C123.1 C124.1 C125.1 C126.1 C127.1 C128.1 C129.1 C200.1 C201.1 C235.1 C236.1 C237.1 C238.1 C249.1 C250.1 C251.1 C260.1 C280.1 D61.1 FB2.1 FB3.1 FB4.1 FB5.1 FB6.1 FB8.1 FB10.1 J15.2 J15.4 J15.70 J15.72 J15.74 J16.2 J16.24 J16.39 J16.41 J16.52 Q3.5 R24.1 R46.1 R61.1 R87.1 R88.1 R89.1 R90.1 R93.1 R116.1 R117.1 R118.1 R119.1 R120.1 R121.1 R127.1 R128.1 R129.1 R217.2 R227.1 R246.1 R248.1 R262.1 R263.1 R288.1 R289.1 R290.1 U17.17 U17.24 U17.46 U17.62 U17.73 U18.8 U22.5 U24.5 U26.19(VCCB) U27.19(VCCB) U28.8(VCC) U29.8(VCC) U31.3 U31.4(VCC)
VDD_3V3_DP: C221.1 C222.1 C223.1 J13.B20 R189.1 U24.1(OUT)
VDD_3V3_HDMI: C204.1 C205.1 Q18.1 Q19.1 Q20.1 Q21.1 R148.1 R149.1 R154.1 R163.1 R164.1 R187.1 U22.1(OUT)
VDD_5V: C11.2 C12.1 C13.1 C14.1 C15.1 C16.1 C80.1 C144.1 C199.1 C202.1 C203.1 C234.2 C262.1 C263.1 C264.1 C265.1 C267.1 C282.1 C283.1 J5.251 J5.252 J5.253 J5.254 J5.255 J5.256 J5.257 J5.258 J5.259 J5.260 J22.3 L1.2 Q15.2(S) R8.1 R10.2 R62.1 R72.1 R79.1 R80.1 R92.1 R139.1 R284.1 R291.1 TP2.1(TP) U13.1 U19.2 U23.5 U25.5 U33.1
VDD_5V_HDMI: C206.1 C207.1 D35.2 J13.A18 R150.1 R151.1 U23.1(OUT)
VDD_12V: C5.1 C6.1 C7.1 C9.1 C10.1 C21.1 C22.1 C23.1 C24.1 C198.1 C285.1 D4.2(C) Q1.5 Q8.2(S) Q14.1 Q14.2 Q14.3(S3) Q42.2(S) R4.1 R9.1 R18.1 R65.1 R138.1 R275.1 R293.1 TP1.1(TP) U2.9 U2.18 U3.9 U3.18
B_HUB_USB1_DM: D29.3(IO2) J8.2 L10.2
B_HUB_USB1_DP: D29.2 J8.3 L10.3
B_USBA2_SS_RX_N: D30.3(IO2) J8.5 L11.2
B_USBA2_SS_RX_P: D30.2 J8.6 L11.3
B_USBA2_SS_TX_N: D31.3(IO2) J8.8 L12.2
B_USBA2_SS_TX_P: D31.2 J8.9 L12.3
BBAT_CONN: D18.1 J19.1 R91.2
BMCU_ACOK: C69.1 J21.1 R50.2 R52.2 U10.14
BUZZER_EN: D9.1 J5.211
CAM_I2C_SCL: J5.213 R124.1
CAM_I2C_SDA: J5.215 R123.1
DC_3V3_LX: C19.2 L2.1 U3.17
DC_3V3_OUT: C25.2 C26.1 C27.1 C28.1 C29.1 C30.1 C31.1 C78.1 FB1.1 L2.2 Q3.1 Q3.2 Q3.3(S3) R19.2 R22.1 R73.1 TP3.1(TP)
DC_5V_LX: C8.2 L1.1 U2.17
DEBUG_UART2_RXD: J2.7 Q36.3 R256.2
DEBUG_UART2_TXD: J2.9 Q37.3 R257.2
DP0_AUX_N: J5.90 Q23.2(S) R188.2
DP0_AUX_N_CNN: C220.2 J13.B17 Q25.2(S) R189.2
DP0_AUX_P: J5.92 Q26.2(S) R192.2
DP0_AUX_P_CNN: C224.2 J13.B15 Q28.2(S) R193.1
DP0_AUX_Q_N: Q24.3 Q25.3
DP0_AUX_Q_P: Q27.3 Q28.3
DP0_AUX_R_N: C220.1 Q23.3 Q24.2(S)
DP0_AUX_R_P: C224.1 Q26.3 Q27.2(S)
DP0_HPD: J5.88 Q29.3 R194.2
DP0_HPD_CON: C228.1 J13.B18 R198.2
DP0_TXD0_N: C226.1 J5.39
DP0_TXD0_N1: C226.2 L18.4 R199.1
DP0_TXD0_N_CON: D57.2 D57.9 J13.B3 L18.3 R199.2
DP0_TXD0_P: C225.1 J5.41
DP0_TXD0_P1: C225.2 L18.1 R196.1
DP0_TXD0_P_CON: D57.1 D57.10 J13.B1 L18.2 R196.2
DP0_TXD1_N: C229.1 J5.45
DP0_TXD1_N1: C229.2 L19.4 R202.1
DP0_TXD1_N_CON: D57.5 D57.6 J13.B6 L19.3 R202.2
DP0_TXD1_P: C227.1 J5.47
DP0_TXD1_P1: C227.2 L19.1 R200.1
DP0_TXD1_P_CON: D57.4 D57.7 J13.B4 L19.2 R200.2
DP0_TXD2_N: C231.1 J5.51
DP0_TXD2_N1: C231.2 L20.4 R204.1
DP0_TXD2_N_CON: D58.2 D58.9 J13.B9 L20.3 R204.2
DP0_TXD2_P: C230.1 J5.53
DP0_TXD2_P1: C230.2 L20.1 R203.1
DP0_TXD2_P_CON: D58.1 D58.10 J13.B7 L20.2 R203.2
DP0_TXD3_N: C233.1 J5.57
DP0_TXD3_N1: C233.2 L21.4 R206.1
DP0_TXD3_N_CON: D58.5 D58.6 J13.B12 L21.3 R206.2
DP0_TXD3_P: C232.1 J5.59
DP0_TXD3_P1: C232.2 L21.1 R205.1
DP0_TXD3_P_CON: D58.4 D58.7 J13.B10 L21.2 R205.2
DP_MODE: J13.B13 R207.1 U25.2
DP_MODE_LS: Q24.1 Q25.1 Q27.1 Q28.1 U25.4(Y)
EEPROM_A0: R251.2 U30.1 U34.1
EEPROM_A1: R250.2 U30.2 U34.2
EEPROM_A2: R249.2 U30.3 U34.3
EXTPWRON: TP16.1(TP) U17.63
FAN_PWM: J5.230 R77.1 R286.1 U13.4 U33.4
FAN_TACH: J5.208 Q10.2(S) R71.2 R287.1
FORCE_RECOVERYN: D20.2 J2.8 J5.214
GBE_LED_ACT: J5.194 R114.1
GBE_LED_LINK: J5.188 R115.1
GBE_MDI0_N: D82.2 J5.184 T2.2
GBE_MDI0_P: D81.2 J5.186 T2.3
GBE_MDI1_N: D80.2 J5.190 T2.5
GBE_MDI1_P: D79.2 J5.192 T2.6
GBE_MDI2_N: D78.2 J5.196 T2.8
GBE_MDI2_P: D77.2 J5.198 T2.9
GBE_MDI3_N: D76.2 J5.202 T2.11
GBE_MDI3_P: D75.2 J5.204 T2.12(TD4-)
GPIO01: J5.118 U27.1
GPIO1: TP11.1(TP) U17.58
GPIO2: TP12.1(TP) U17.59
GPIO3: TP13.1(TP) U17.60
GPIO4: TP15.1(TP) U17.61
GPIO07: J5.206 U27.7
GPIO09: J5.130 U27.3
GPIO11: J5.216 U27.5
GPIO12: J5.218 U27.4
GPIO13: J5.228 U27.6
HDD_LED1: D16.1 R132.1 U21.3
HDD_LED2: D17.1 R133.1 U21.2
HDD_LED-: J4.3 Q13.3 R84.2
HDMI_CEC: D33.1 J5.94 Q20.2(S) R163.2
HDMI_CEC_CON: C215.1 D38.2 J13.A13 L15.2
HDMI_DDC_SCL: J5.100 Q18.2(S) R148.2
HDMI_DDC_SCL_CON: C208.1 D37.2 J13.A15 Q18.3 R150.2
HDMI_DDC_SDA: J5.98 Q19.2(S) R149.2
HDMI_DDC_SDA_CON: C209.1 D36.2 J13.A16 Q19.3 R151.2
HDMI_HPD: J5.96 Q22.3 R181.2
HDMI_HPD_CON: C219.1 D34.2 J13.A19 R185.2
HDMI_TX0_N: C216.1 J5.75
HDMI_TX0_N1: C216.2 C273.2 L16.4 L28.1 R174.2
HDMI_TX0_N2: C274.2 L16.3 L28.2 R178.1
HDMI_TX0_P: C214.1 J5.77
HDMI_TX0_P1: C214.2 C273.1 L16.1 L27.1 R169.2
HDMI_TX0_P2: C274.1 L16.2 L27.2 R177.1
HDMI_TX1_N: C213.1 J5.69
HDMI_TX1_N1: C213.2 C271.2 L14.4 L26.1 R167.2
HDMI_TX1_N2: C272.2 L14.3 L26.2 R175.1
HDMI_TX1_P: C212.1 J5.71
HDMI_TX1_P1: C212.2 C271.1 L14.1 L25.1 R165.2
HDMI_TX1_P2: C272.1 L14.2 L25.2 R172.1
HDMI_TX2_N: C211.1 J5.63
HDMI_TX2_N1: C211.2 C269.2 L13.4 L24.1 R161.2
HDMI_TX2_N2: C270.2 L13.3 L24.2 R170.1
HDMI_TX2_P: C210.1 J5.65
HDMI_TX2_P1: C210.2 C269.1 L13.1 L23.1 R159.2
HDMI_TX2_P2: C270.1 L13.2 L23.2 R173.1
HDMI_TXC_CON_N: D56.5 D56.6 J13.A12 R180.2
HDMI_TXC_CON_P: D56.4 D56.7 J13.A10 R179.2
HDMI_TXC_N: C218.1 J5.81
HDMI_TXC_N1: C218.2 C275.2 L17.4 L30.1 R184.2
HDMI_TXC_N2: C276.2 L17.3 L30.2 R180.1
HDMI_TXC_P: C217.1 J5.83
HDMI_TXC_P1: C217.2 C275.1 L17.1 L29.1 R182.2
HDMI_TXC_P2: C276.1 L17.2 L29.2 R179.1
HDMI_TXD0_CON_N: D56.2 D56.9 J13.A9 R178.2
HDMI_TXD0_CON_P: D56.1 D56.10 J13.A7 R177.2
HDMI_TXD1_CON_N: D55.5 D55.6 J13.A6 R175.2
HDMI_TXD1_CON_P: D55.4 D55.7 J13.A4 R172.2
HDMI_TXD2_CON_N: D55.2 D55.9 J13.A3 R170.2
HDMI_TXD2_CON_P: D55.1 D55.10 J13.A1 R173.2
HISN: C109.2 U16.42
HISP: C108.2 U16.41
HSON: C105.2 U16.39
HSOP: C104.2 U16.38
HUB1_5V: C146.1 D59.2 J8.10(VBUS_1) U19.7
HUB2_5V: C145.1 D60.2 J8.1 U19.6
HUB_EN1: U17.2 U19.3
HUB_EN2: U17.76 U19.4
HUB_HP1_N: L7.1 U17.10
HUB_HP1_P: L7.4 U17.9
HUB_HP2_N: L10.1 U17.19
HUB_HP2_P: L10.4 U17.18
HUB_HP3_N: J15.9 U17.23
HUB_HP3_P: J15.7 U17.22
HUB_HP4_N: J16.36 U17.38
HUB_HP4_P: J16.38 U17.37
HUB_OVCUR1: R118.2 U17.1 U19.8
HUB_OVCUR2: R119.2 U17.75 U19.5(O\C\2\)
HUB_RST: C120.1 D62.1 R263.2 R264.1 TP10.1(TP) U17.68 U31.2
HUB_SSRX0_N: C83.2 U17.52
HUB_SSRX0_P: C82.2 U17.53
HUB_SSRX1_N: L8.1 U17.7
HUB_SSRX1_P: L8.4 U17.6
HUB_SSRX2_N: L11.1 U17.16
HUB_SSRX2_P: L11.4 U17.15
HUB_SSRX3_N: C248.2 U17.29
HUB_SSRX3_P: C247.2 U17.28
HUB_SSTX0_N: C85.2 U17.49
HUB_SSTX0_P: C84.2 U17.50
HUB_SSTX1_N: C147.1 U17.4
HUB_SSTX1_N1: C147.2 L9.1
HUB_SSTX1_P: C148.1 U17.3
HUB_SSTX1_P1: C148.2 L9.4
HUB_SSTX2_N: C149.1 U17.13
HUB_SSTX2_N1: C149.2 L12.1
HUB_SSTX2_P: C150.1 U17.12
HUB_SSTX2_P1: C150.2 L12.4
HUB_SSTX3_N: C246.2 U17.26
HUB_SSTX3_P: C245.2 U17.25
HUP_SPI_CLK: U17.70 U18.6
HUP_SPI_CS: U17.72 U18.1
HUP_SPI_SI: R129.2 U17.69 U18.5
HUP_SPI_SO: U17.71 U18.2
HUP_SPI_WP: R128.2 R130.1 TP21.1(TP) U18.3(W\P\_IO2)
I2C1_SCL: J5.189 R89.2 R228.2
I2C1_SDA: J5.191 R90.2 R229.2
I2C2_SCL: J5.232 Q35.2(S) R247.2 U30.6 U34.6
I2C2_SDA: J5.234 Q34.2(S) R245.2 U30.5 U34.5
I2S1_LRCK: J5.224 J15.28
I2S1_SCLK: J5.226 J15.20
I2S1_SDIN: J5.222 J15.24
I2S1_SDOUT: J5.220 J15.22
ID_I2C_SCL: J5.185 R87.2
ID_I2C_SDA: J5.187 R88.2
JMB_SPI_CS: U20.1 U21.5
JMB_SPI_HOLD: R265.2 U20.7
JMB_SPI_SCK: U20.6 U21.10
JMB_SPI_SI: U20.5 U21.11
JMB_SPI_SO: U20.2 U21.7
JMB_SPI_WP: R131.2 U20.3(W\P\_IO2) U21.9
LAA_N79_TX_EN: J5.199 J15.60
LED0: R94.2 R108.1
LED0_CTRL: Q12.1 R81.2 R83.2 R85.2
LED0_SPI_SI: R94.1 R96.1 U16.30
LED3: R109.1 U16.35
M2_RESET: J5.124 R214.2
M2_USB3_RXN: C248.1 J15.29
M2_USB3_RXP: C247.1 J15.31
M2_USB3_TXN: C246.1 J15.35
M2_USB3_TXP: C245.1 J15.37
M2E_SUSCLK_32KHZ: J15.68 R93.2 U14.4(Y)
M.2_ANTCTL0: J5.91 J15.59
M.2_ANTCTL1: J5.93 J15.61
M.2_ANTCTL2: J5.89 J15.63
M.2_ANTCTL3: J5.95 J15.65
M.2_DPR: J5.195 J15.25
M.2_MODULE_EN: J5.212 J15.6 R220.1
M.2_STATUS_LED: J15.10 LED3.2(C)
M.2_USIM_CLK: J15.32 R212.1
M.2_USIM_DATA: J15.34 R213.1
M.2_USIM_PWR: J15.36 R210.1
M.2_USIM_RESET: J15.30 R211.1
M.2_W_DISABLE1#: J5.128 J15.8(W_DISABLE1#) R218.2
M.2_W_DISABLE2#: J5.126 J15.26 R219.2
M.2_WLAN_TX_EN: J5.197 J15.38
M.2_WOWWAN#: J5.193 J15.23 R216.2
MCU_ADC0: C75.1 R62.2 R64.1 TP29.1(TP) U10.38
MCU_ADC1: C76.1 R61.2 R63.1 TP30.1(TP) U10.39
MCU_ADC2: Q39.2(S) TP31.1(TP) U10.40
MCU_BUZZER_EN: D10.1 U10.28
MCU_DEBUG_RX: J2.3 U10.7
MCU_DEBUG_TX: J2.5 U10.6
MCU_I2C0_SCL: Q35.3 R248.2 U10.3 U28.6 U29.6
MCU_I2C0_SDA: Q34.3 R246.2 U10.2 U28.5 U29.5
MCU_RESET: C71.1 D64.2 FB14.2 J2.4 R54.1
MCU_SWCLK: TP33.1(TP) U10.24
MCU_SWDIO: TP32.1(TP) U10.25
MCU_USB_MODE: FB13.1 J2.10 R51.1
MCU_USB_N: D52.2 J17.A7 J17.B7 R57.2
MCU_USB_P: D51.2 J17.A6 J17.B6 R58.2
MDIN0: D68.2 T1.3 U16.14
MDIN1: D70.2 T1.6 U16.18
MDIN2: D72.2 T1.9 U16.21
MDIN3: D74.2 T1.12(TD4-) U16.24
MDIP0: D67.2 T1.2 U16.13
MDIP1: D69.2 T1.5 U16.17
MDIP2: D71.2 T1.8 U16.20
MDIP3: D73.2 T1.11 U16.23
MOD_SLEEPN: J5.178 R85.1 R152.1
OVCUR0: R117.2 U17.41
OVCUR3: R120.2 U17.20
OVCUR4: R121.2 U17.40
P_RXN0: C176.2 U21.17
P_RXP0: C177.2 U21.18
P_TXN0: C178.2 U21.20
P_TXP0: C179.2 U21.21
PCIE0_CLK_N: J5.160 U21.14
PCIE0_CLK_P: J5.162 U21.15
PCIE0_CLKREQ: J5.180 U21.12
PCIE0_RST: J5.181 U21.13
PCIE0_RX0_N: C178.1 J5.131
PCIE0_RX0_P: C179.1 J5.133
PCIE0_TX0_N: C176.1 J5.134
PCIE0_TX0_P: C177.1 J5.136
PCIE1_CLK_N: J5.173 U16.45
PCIE1_CLK_P: J5.175 U16.44
PCIE1_CLKREQ: J5.182 U16.48
PCIE1_RST: J5.183 U16.36
PCIE1_RX0_N: C105.1 J5.167
PCIE1_RX0_P: C104.1 J5.169
PCIE1_TX0_N: C109.1 J5.172
PCIE1_TX0_P: C108.1 J5.174
PCIE_1PPS_CON: J16.19 U27.16
PCIE_BUSY_CON: D83.2(C) U27.18
PCIE_GPIO1_CON: J16.31 U27.14
PCIE_GPIO2_CON: J16.33 U27.13
PCIE_RESET_CON: C252.2 D44.1 J16.22 Q32.3 R227.2
PCIE_SCL_CON: J16.30 R228.1
PCIE_SDA_CON: J16.32 R229.1
PCIE_SIM_CLK: J16.12 R235.1
PCIE_SIM_DIO: D84.2(C) J16.10 R236.1
PCIE_SIM_RST: J16.14 R234.1
PCIE_SIM_VDD: D83.1 J16.8 R233.1
PCIE_SPI_CS_CON: J16.51 U26.16
PCIE_SPI_MISO_CON: J16.47 U26.18
PCIE_SPI_MOSI_CON: J16.49 U26.17
PCIE_SPI_SCLK_CON: J16.45 U26.20
PCIE_SX1262_RESET_CON: D84.1 U27.17
PCIE_UART_CTS_CON: J16.23 R290.2 U26.12
PCIE_UART_RTS_CON: J16.25 R289.2 U26.13
PCIE_UART_RXD_CON: J16.13 R288.2 U26.14
PCIE_UART_TXD_CON: J16.11 U26.15
PCIE_W_DISABLE#CON: J16.20 U27.15
PCIE_WAKE#CON: J16.1 U27.20
PHY_AVDD33: C87.1 C88.1 C89.1 C93.1 C94.1 C95.1 C103.1 D65.2 FB6.2 J7.L10 J7.L12 J7.R10 J7.R12 R95.2 R97.2 R98.2 R99.2 U15.3(W\P\_IO2) U15.7 U15.8 U16.19 U16.29 U16.33 U16.34 U16.43 U16.46
POWER_EN: J5.237 Q23.1 Q26.1 R55.1 U11.4(Y)
PWR_0V95_EN: R40.1 U10.15 U16.6
PWR_1V05_EN: R33.1 U10.13
PWR_1V8_EN: R41.1 U10.17
PWR_1V25_EN: R32.1 U10.11
PWR_BTNN: D5.2(C) D12.2 D15.2 D21.2 J4.6 J5.240 R92.2 SW1.1
PWR_LED: D14.2 R82.1 SW1.3
PWR_LED_CTRL: J5.127 R83.1 R292.1
PWR_LED_H: D13.2 J4.4 Q41.3 R291.2
PWR_LED_R: Q12.3 R82.2
PWREN0: TP14.1(TP) U17.42
QSPI_CE*: R51.2 U9.1 U10.56
QSPI_SCLK: U9.6 U10.52
QSPI_SD0: U9.5 U10.53
QSPI_SD1: U9.2 U10.55
QSPI_SD2: U9.3(W\P\_IO2) U10.54
QSPI_SD3: U9.7 U10.51
REST: R101.1 U16.12(RSET)
RJ45A_MX1N: J7.L2 T1.22
RJ45A_MX1P: J7.L1 T1.23
RJ45A_MX2N: J7.L6 T1.19
RJ45A_MX2P: J7.L3 T1.20
RJ45A_MX3N: J7.L5 T1.16
RJ45A_MX3P: J7.L4 T1.17
RJ45A_MX4N: J7.L8 T1.13
RJ45A_MX4P: J7.L7 T1.14
RJ45B_MX1N: J7.R2 T2.23
RJ45B_MX1P: J7.R1 T2.22
RJ45B_MX2N: J7.R6 T2.20
RJ45B_MX2P: J7.R3 T2.19
RJ45B_MX3N: J7.R5 T2.17
RJ45B_MX3P: J7.R4 T2.16
RJ45B_MX4N: J7.R8 T2.14
RJ45B_MX4P: J7.R7 T2.13
RTL_SPI_SCK: R95.1 U15.6 U16.27
RTL_SPI_SI: R96.2 U15.5
RTL_SPI_SO: U15.2 U16.25
RUN: FB14.1 U10.26
S_5V: FB12.1 Q15.3
S_RXN0: C184.2 J10.R-
S_RXN1: C192.2 J12.R-
S_RXP0: C185.2 J10.R+
S_RXP1: C193.2 J12.R+
S_TXN0: C183.2 J10.T-
S_TXN1: C191.2 J12.T-
S_TXP0: C182.2 J10.T+
S_TXP1: C190.2 J12.T+
SATA_1V25: C151.1 C152.1 C153.1 C154.1 C155.1 C156.1 C157.1 C158.1 C159.1 C160.1 C161.1 C162.1 C163.1 C164.1 C165.1 C166.1 FB9.2 U21.4 U21.8 U21.16 U21.19 U21.23 U21.24 U21.25 U21.28 U21.31 U21.34 U21.38 U21.42
SATA_3V3: C167.1 C168.1 C169.1 C170.1 C171.1 C172.1 C173.1 C174.1 FB10.2 R131.1 R134.2 R265.1 U20.8 U21.6 U21.41 U21.48
SATA_5V: C188.1 C189.1 C196.1 C197.1 FB12.2 J9.4 J11.4 R78.1 R84.1
SATA_12V: C186.1 C187.1 C194.1 C195.1 C279.1 J9.1 J11.1 Q14.5
SATA_PWREN: R140.2 R142.2 R144.1 R145.1
SATA_PWREN1: R140.1 U21.47
SATA_PWREN2: R142.1 U10.18
SATA_RXN0: C184.1 U21.27
SATA_RXN1: C192.1 U21.33
SATA_RXP0: C185.1 U21.26
SATA_RXP1: C193.1 U21.32
SATA_TXN0: C183.1 U21.29
SATA_TXN1: C191.1 U21.35
SATA_TXP0: C182.1 U21.30
SATA_TXP1: C190.1 U21.36
SHUTDOWN_REQN: D6.2(C) J5.233 R8.2 R274.2
SNN_DP_CEC: J13.B14 R208.1
SPI0_CS1: J5.97 R230.2
SPI1_CS0: J5.110 U26.5
SPI1_CS1: J5.112 U27.8
SPI1_MISO: J5.108 U26.3
SPI1_MOSI: J5.104 U26.4
SPI1_SCK: J5.106 U26.1
SPICS: U15.1 U16.26
SSREXT: R126.1 U17.47
SSXI: C122.1 U17.44 X3.1
SSXO: C121.1 U17.45 X3.3
SUSCLK_32KHZ: J5.210 U14.2
SYS_3V3_EN: D43.2(C) D44.2(C) D62.2(C) R28.1 R48.1 R295.1 U10.27 U12.4(Y)
SYS_5V_EN: R13.1 U10.8
SYS_RSTN: D11.2 D19.2 J4.7 R60.1 R253.2 U12.2
T_HUB_USB1_DM: D26.3(IO2) J8.11 L7.2
T_HUB_USB1_DP: D26.2 J8.12 L7.3
T_USBA1_SS_RX_N: D27.3(IO2) J8.14 L8.2
T_USBA1_SS_RX_P: D27.2 J8.15 L8.3
T_USBA1_SS_TX_N: D28.3(IO2) J8.17 L9.2
T_USBA1_SS_TX_P: D28.2 J8.18 L9.3
TESTEN: R125.1 U17.74
TYPEC_DN: D54.2 J18.A7 J18.B7 L22.2
TYPEC_DP: D53.2 J18.A6 J18.B6 L22.3
TYPEC_USB1_5V: C259.1 D50.2 J18.B4 J18.B9 R238.2 TP24.1(TP)
TYPEC_USB2_5V: C258.1 D4.1 D49.2 J17.B4 J17.B9 R239.1 TP23.1(TP)
UART0_RXD: J5.101 J15.64
UART0_TXD: J5.99 J15.62
UART1_CTS: J5.209 U26.9
UART1_RTS: J5.207 U26.8
UART1_RXD: J5.205 U26.7
UART1_TXD: J5.203 U26.6
UART2_RXD: J5.238 Q36.2(S) R254.2 R255.2
UART2_TXD: J5.236 Q37.2(S)
USB0_AP_N: J5.109 L22.1
USB0_AP_P: J5.111 L22.4
USB0_VBUS_DETN: J5.87 R237.1
USB1_AP_N: J5.115 U17.56
USB1_AP_P: J5.117 U17.55
USBSS_RX_N: C85.1 J5.161
USBSS_RX_P: C84.1 J5.163
USBSS_TX_N: C83.1 J5.166
USBSS_TX_P: C82.1 J5.168(USBSS_TX_P)
USBSUS: TP17.1(TP) U17.64
VERSION_BIT0: R281.2 R282.1 U10.31
VERSION_BIT1: R279.1 R280.2 U10.35
VERSION_BIT2: R277.1 R278.2 U10.37
WP: R252.1 TP25.1(TP) U30.7(WP) U34.7(WP)
N5909573: D18.2(C) J5.235 R91.1
N5919040: C111.2 T1.4
N5919044: C110.2 T1.1
N5919048: C112.2 T1.7
N5919052: C113.2 T1.10
N5919412: R107.1 T1.15
N5919414: R104.1 T1.24
N5919416: R106.1 T1.18
N5919418: R105.1 T1.21
N5919465: C114.1 R104.2 R105.2 R106.2 R107.2
N5988803: D23.2 J7.L11 R108.2
N5988831: D22.2 J7.L9 R109.2
N5989603: C115.2 T2.1
N5989607: R110.1 T2.24
N5989611: C119.1 R110.2 R111.2 R112.2 R113.2
N5989699: C116.2 T2.4